# Altium PCB AS_node_pcb_version2.PcbDoc (part 2 of 2)
Units mm, origin at the board's own origin, x right, y up, seen from the top; angles counter-clockwise.
Board outline 125 x 100 mm, 4 copper layers (Top Layer, Layer 1, Layer 2, Bottom Layer), stack 0.603 mm thick; 118 components, 117 nets, 451 pads, 155 vias.
Unrouted connection lines stored in the file: 7.
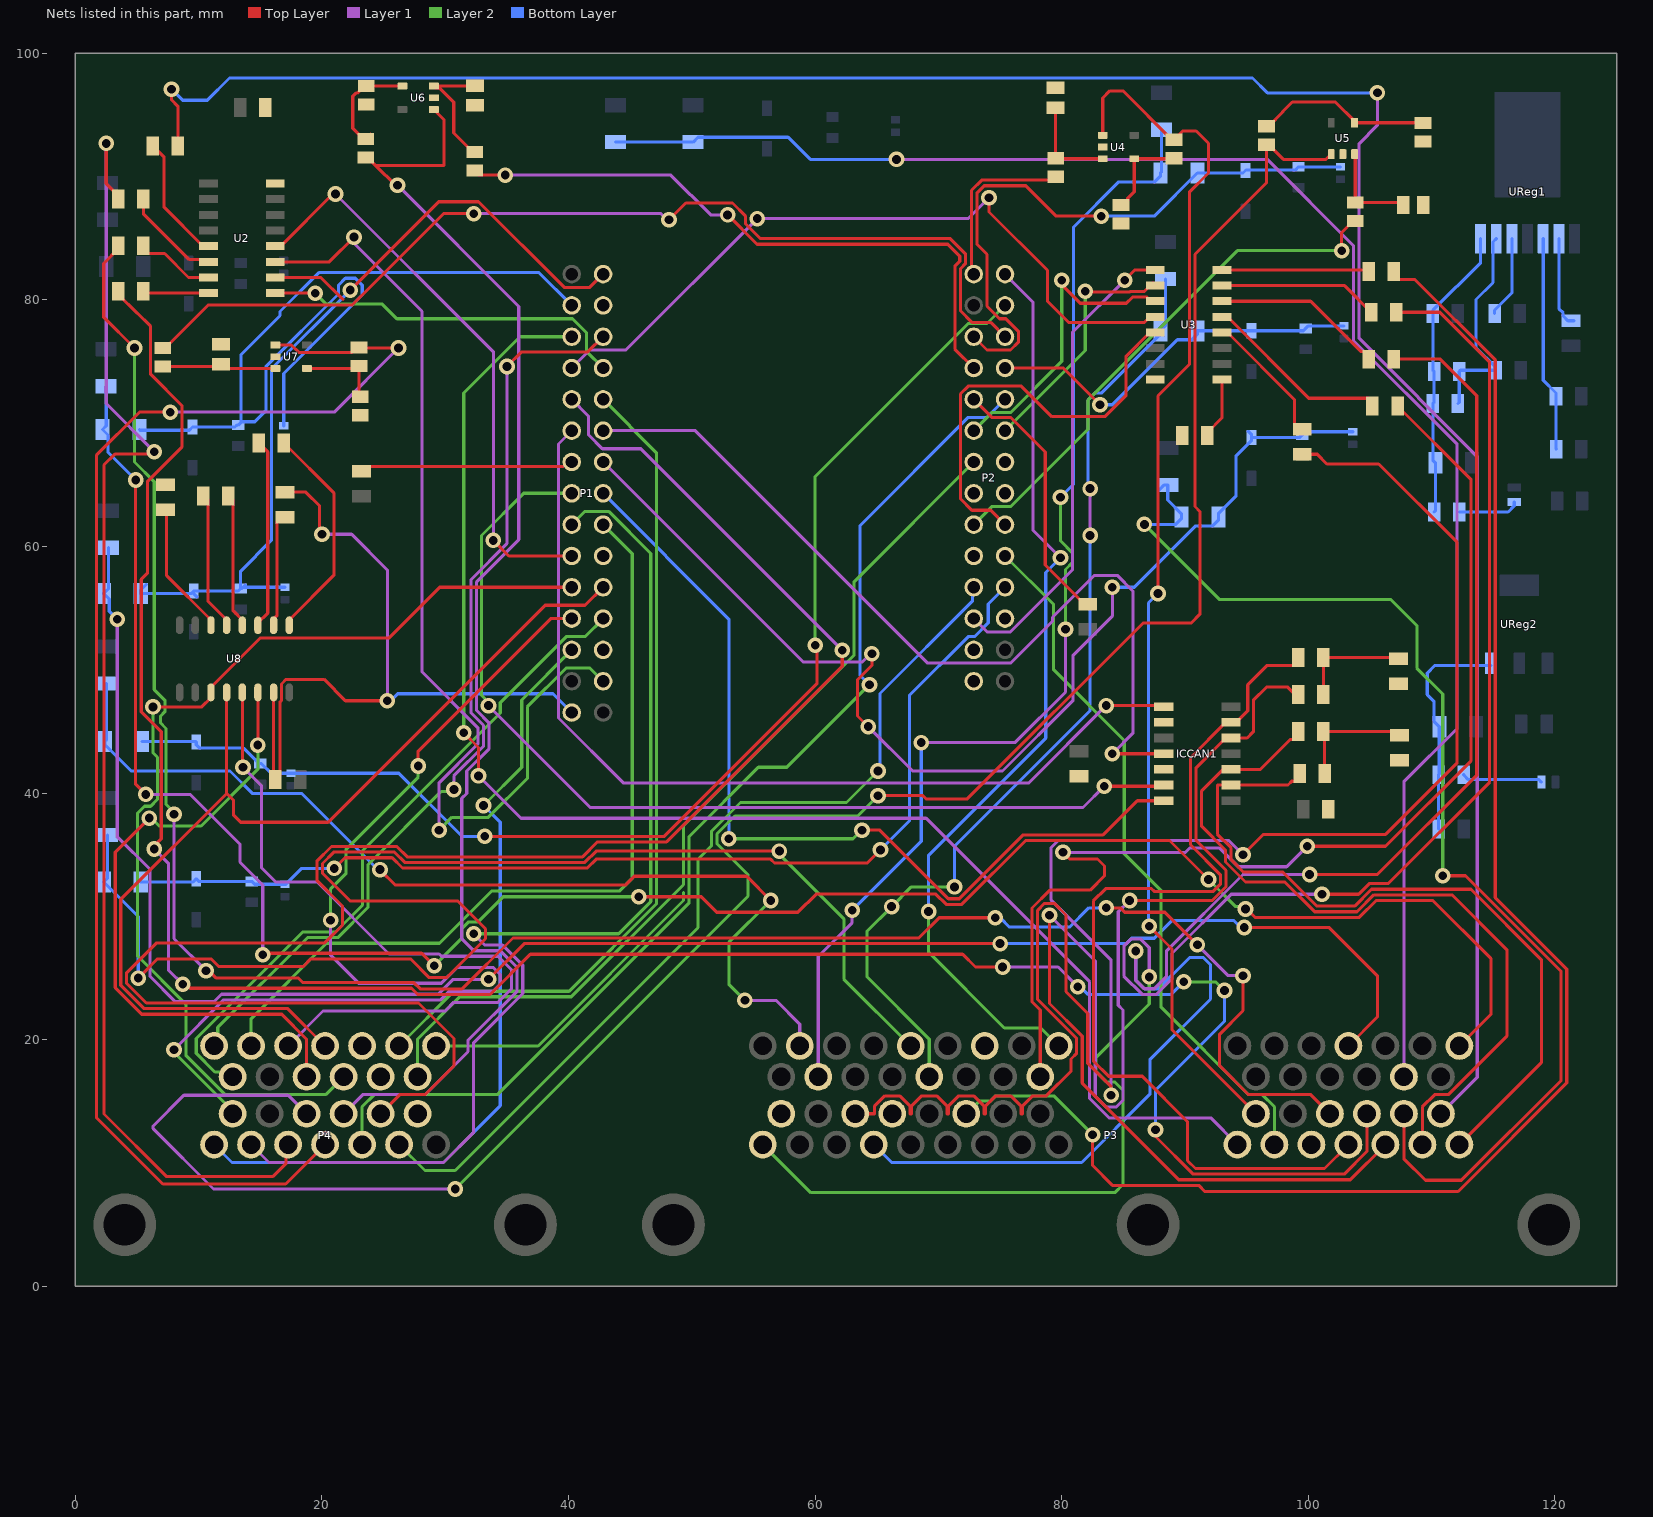
[diagram p4: the nets of this part, all layers, seen from the top]

## Via types
v1: diameter 1.27, hole 0.711, Top Layer to Bottom Layer, 155 vias

## Nets (pads, with @x,y where several pads share a name; then routed paths per layer and width w, separated by ;. In a path a pad name is that pad's centre, name@x,y a point inside that pad or via, vN(x,y) a via of type N, cw(c..) or ccw(c..) an arc to the next point about the centre after c; other vN are vias at no path point) (continued)
ASMS_ON: C24.1 P1.17 R49.2 R51.1 Z9.1 | length 94.2
  Top Layer w0.254: v1(64.3,45.4) 63.438,46.262 63.438,49.198 64.6,50.36 v1(64.6,51.3)
  Layer 1 w0.254: P1.17@42.8,66.86 59.022,50.638 63.825,50.638 64.487,51.3 v1(64.6,51.3) ; v1(64.3,45.4) 67.9,41.8 75.193,41.8 80.922,47.529 80.922,51.183 84.1,54.36 v1(84.1,56.7)
  Bottom Layer w0.254: v1(84.1,56.7) 85.887,56.7 90.864,61.677 92.252,61.677 92.7,62.125 R49.2@92.7,62.4 92.7,62.675 94.138,64.113 94.138,67.363 95.4,68.625 Z9.1@95.4,68.85 ; Z9.1@95.127,69.348 95.4,69.075 Z9.1@95.4,68.85 ; C24.1@103.6,69.31 99.76,69.31 R51.1@99.5,69.05 99.3,68.85 Z9.1@95.4,68.85
ASMS_ON_IN: P3.52 R47.1 R49.1 | length 96.1
  Top Layer w0.254: P3.52@107.75,14 107.75,10.35 109.495,8.605 112.405,8.605 120.5,16.7 120.5,25.542 112.742,33.3 v1(110.9,33.3)
  Layer 2 w0.254: v1(86.7,61.8) 92.8,55.7 106.7,55.7 108.8,53.6 108.8,50.14 110.9,48.04 v1(110.9,33.3)
  Bottom Layer w0.254: v1(86.7,61.8) 89.252,61.8 89.7,62.248 R49.1@89.7,62.4 89.7,62.675 88.6,63.775 R47.1@88.6,65 88.325,65 R47.1@87.877,64.552
ASSI_B_LED: P2.18 U3.3 | length 25.1
  Top Layer w0.254: P2.18@72.746,69.514 P2.18@72.86,69.4 ; v1(80,81.6) 80,81.24 81.502,79.738 85.241,79.738 85.749,80.246 86.894,80.246 87.24,79.9 U3.3@87.576,79.9
  Layer 2 w0.254: P2.18@72.86,69.4 74.323,70.863 75.846,70.863 80,75.017 v1(80,81.6)
ASSI_B_LED_OUT: P3.29 RAB.2 | length 125.9
  Top Layer w0.254: v1(100.1,33.4) 105.6,33.4 113.654,41.454 113.654,72.246 110.7,75.2 RAB.2@106.916,75.2
  Layer 1 w0.254: v1(86,27.2) 86,24.84 86.702,24.138 87.498,24.138 88.484,25.123 88.484,27.186 94.697,33.4 v1(100.1,33.4)
  Layer 2 w0.254: v1@99.5,33.4 v1(100.1,33.4)
  Bottom Layer w0.254: P3.29@64.75,11.5 66.202,10.048 81.608,10.048 87.146,15.586 87.146,18.384 92.062,23.3 92.062,26.098 91.498,26.662 90.362,26.662 87.838,24.138 86.702,24.138 86,24.84 v1(86,27.2)
ASSI_G_LED: P2.17 U3.2 | length 20.1
  Top Layer w0.254: v1(81.9,80.7) 81.962,80.638 85.498,80.638 85.56,80.7 86.706,80.7 87.376,81.37 U3.2@87.576,81.17
  Layer 2 w0.254: P2.17@75.4,69.4 81.9,75.9 v1(81.9,80.7)
ASSI_G_LED_OUT: P3.26 RAG.2 | length 140.3
  Top Layer w0.254: v1(101.1,31.8) 104.074,31.8 104.936,32.662 106.462,32.662 114.7,40.9 114.7,74.951 110.651,79 RAG.2@107.116,79
  Layer 1 w0.254: v1(87.1,25.1) 87.1,27.46 86.398,28.162 85.602,28.162 85.038,27.598 85.038,25.159 86.513,23.684 87.687,23.684 88.938,24.935 88.938,26.998 93.74,31.8 v1(101.1,31.8)
  Layer 2 w0.254: P3.26@55.75,11.5 59.65,7.6 84.3,7.6 84.962,8.262 84.962,15.898 84.276,16.584 83.613,16.584 82.784,17.413 82.784,18.587 87.1,22.903 v1(87.1,25.1)
ASSI_R_LED: P2.6 U3.1 | length 38.6
  Top Layer w0.254: v1(85.1,81.6) 85.94,82.44 U3.1@87.576,82.44
  Layer 1 w0.254: P2.6@72.86,54.16 73.937,53.083 75.846,53.083 80.862,58.099 80.862,77.362 v1(85.1,81.6)
ASSI_R_LED_OUT: P3.23 RAR.2 | length 130
  Top Layer w0.254: v1(82.5,12.3) 82.5,9.8 84.107,8.193 91.107,8.193 91.6,7.7 112.142,7.7 120.954,16.512 120.954,25.73 115.154,31.53 115.154,75.139 108.628,81.665 107.313,81.665 106.932,82.046 RAR.2@106.932,82.3
  Layer 2 w0.254: P3.23@72.25,14 72.288,14 73.334,15.046 74.243,15.046 74.649,15.452 79.348,15.452 v1(82.5,12.3)
B4_Steering_Clamped: P2.27 P3.9 | length 75
  Layer 1 w0.254: P2.27@75.4,82.1 77.672,79.828 77.672,61.328 v1(79.9,59.1)
  Layer 2 w0.254: v1(69.2,30.4) 69.2,27.1 75.348,20.952 78.298,20.952 P3.9@79.75,19.5
  Bottom Layer w0.254: v1(69.2,30.4) 69.2,34.96 78.7,44.46 78.7,57.9 v1(79.9,59.1)
BOOT0: P1.18 R3.2 | length 17.4
  Top Layer w0.254: R3.2@23.2,66.1 23.581,66.481 39.544,66.481 39.923,66.86 P1.18@40.26,66.86
BOOT1: P2.20 R4.2 | length 21.5
  Top Layer w0.254: P2.20@72.86,71.94 74.323,70.477 75.846,70.477 78.656,67.668 78.656,58.506 81.846,55.316 R4.2@82.1,55.316
CAN1_H: ICCAN1.13 P3.57 RU1.2 | length 75.8
  Top Layer w0.254: RU1.2@99.184,51 99.184,50.746 98.803,50.365 96.665,50.365 95.084,48.784 95.084,46.674 94.15,45.74 ICCAN1.13@93.725,45.74 93.3,45.74 90.438,42.878 90.438,35.822 92.862,33.398 92.862,32.602 92.298,32.038 87.502,32.038 87.278,32.262 83.562,32.262 82.564,31.264 82.564,18.276 83.802,17.038 86.522,17.038 90.2,13.36 90.2,10.2 90.845,9.555 101.305,9.555 P3.57@103.25,11.5
CAN1_L: ICCAN1.12 P3.58 RD1.1 | length 111.6
  Top Layer w0.254: v1(79,30.1) 79,22.945 81.656,20.289 81.656,16.484 89.492,8.647 103.397,8.647 P3.58@106.25,11.5 ; v1(85.5,31.3) 92.203,31.3 93.316,32.413 93.316,33.739 90.892,36.163 90.892,42.062 93.3,44.47 ICCAN1.12@93.725,44.47 95.03,44.47 95.538,44.978 95.538,47.538 96.6,48.6 98.33,48.6 99.184,47.746 RD1.1@99.184,48
  Layer 1 w0.254: v1(79,30.1) 82.716,26.384 82.716,15.424 83.602,14.538 84.398,14.538 84.962,15.102 84.962,22.416 84.584,22.794 84.584,30.384 v1(85.5,31.3)
CAN1_RX: ICCAN1.4 P1.19 | length 72.5
  Top Layer w0.254: v1(84.1,43.2) ICCAN1.4@88.275,43.2
  Layer 1 w0.254: P1.19@42.8,69.4 50.269,69.4 69.126,50.543 75.846,50.543 79.252,53.949 79.252,54.257 82.657,57.662 84.498,57.662 85.762,56.398 85.762,44.862 84.15,43.25 v1@84.15,43.15
CAN1_TX: ICCAN1.1 P1.20 | length 78.1
  Top Layer w0.254: P1.20@40.022,69.162 P1.20@40.26,69.4 ; v1(83.6,47.1) 87.785,47.1 87.885,47 88.085,47.2 ICCAN1.1@88.275,47.01
  Layer 1 w0.254: P1.20@40.26,69.4 39.183,68.323 39.183,46.094 44.439,40.838 77.338,40.838 83.5,47 v1@83.6,47
CAN2_H: ICCAN1.10 P3.59 RU2.2 | length 62.7
  Top Layer w0.254: RU2.2@99.184,45 99.184,44.746 98.803,44.365 98.549,44.365 96.114,41.93 ICCAN1.10@93.725,41.93 93.088,41.93 91.346,40.188 91.346,37.314 93.284,35.376 93.284,34.413 94.897,32.8 98.097,32.8 100.513,30.384 103.942,30.384 105.312,31.754 111.646,31.754 116.1,27.3 116.1,20.297 111.351,15.548 110.245,15.548 109.25,14.553 P3.59@109.25,11.5
CAN2_L: ICCAN1.9 P3.60 RD2.1 | length 61.1
  Top Layer w0.254: RD2.1@99.284,41.6 99.284,41.346 98.903,40.965 98.649,40.965 98.344,40.66 ICCAN1.9@93.725,40.66 92.623,40.66 92.623,36.679 93.738,35.564 93.738,34.602 94.74,33.6 97.94,33.6 100.702,30.838 103.754,30.838 105.124,32.208 113.192,32.208 118.9,26.5 118.9,18.15 P3.60@112.25,11.5
CAN2_RX: ICCAN1.7 P1.15 | length 73.4
  Top Layer w0.254: v1(63.8,37) 65.245,37 70.807,31.438 71.698,31.438 76.876,36.616 83.356,36.616 86.13,39.39 ICCAN1.7@88.275,39.39
  Layer 2 w0.254: v1(53,36.3) 63.063,36.3 63.763,37 v1(63.8,37)
  Bottom Layer w0.254: P1.15@42.8,64.32 53,54.12 v1(53,36.3)
CAN2_TX: ICCAN1.6 P1.16 | length 81.7
  Top Layer w0.254: v1(83.44,40.56) 88.175,40.56 ICCAN1.6@88.275,40.66
  Layer 1 w0.254: v1(33.5,47.1) 41.762,38.838 81.718,38.838 v1(83.44,40.56)
  Layer 2 w0.254: v1(33.5,47.1) 33.5,47.375 32.938,47.937 32.938,60.898 36.36,64.32 P1.16@40.26,64.32
DGND: 10mH.2 C3.2 C4.2 C5.1 C6.2 C7.2 C10.2 C11.2 C12.2 C13.2 C14.2 C15.2 ICCAN1.2 ICCAN1.5 P1.2 P1.5 P1.27 P2.2 P2.4 P3.7 P3.18 P3.21 R15.2 R17.2 R22.2 R50.2 RCOM1.2 U2.8 U3.8 U4.2 U5.2 U6.2 U7.2 U8.15 | length 63.4
  Top Layer w0.254: C11.2@16.075,41.225 U8.15@16.075,48.175 ; C11.2@16.2,41.1 16.581,41.481 16.581,47.369 16.718,47.506 16.718,48.86 17.085,49.227 20.173,49.227 21.9,47.5 v1(25.3,47.5) ; C7.2@17,64.416 18.684,64.416 19.806,63.294 19.806,61.194 v1(20,61) ; ICCAN1.5@88.275,41.93 ICCAN1.5@88.7,41.93
  Layer 1 w0.254: v1(20,61) 22.4,61 25.3,58.1 v1(25.3,47.5)
  Bottom Layer w0.254: v1(25.3,47.5) 25.575,47.5 26.137,48.062 38.738,48.062 P1.2@40.26,46.54
EBS_AS_Close_SDC: P2.10 P4.23
EBS_AS_Driving_Mode: P2.14 P4.22 | length 0.3
  Bottom Layer w0.254: P2.14@72.86,64.32 P2.14@73.098,64.082
EBS_Compressor_Relay: P1.12 U2.4 | length 46.9
  Top Layer w0.254: U2.4@16.212,84.365 16.65,84.365 20.885,88.6 v1(21.1,88.6) ; v1(33.9,60.5) 35.16,59.24 P1.12@40.26,59.24
  Layer 1 w0.254: v1(21.1,88.6) 33.9,75.8 v1(33.9,60.5)
EBS_Compressor_Relay_OUT: P3.53 R11.2 | length 192.8
  Top Layer w0.254: v1(7.8,97.1) 7.8,96.232 8.316,95.716 R11.2@8.316,92.5
  Layer 1 w0.254: v1(105.6,96.8) 105.6,94.168 104.116,92.684 104.116,76.884 113.702,67.298 113.702,16.952 P3.53@110.75,14
  Bottom Layer w0.254: v1(7.8,97.1) 8.7,96.2 10.7,96.2 12.5,98 95.471,98 96.671,96.8 v1(105.6,96.8)
EBS_Failure_LED: P1.24 U3.4 | length 59.6
  Top Layer w0.254: v1(74.1,88.3) 74.1,87.14 78.838,82.402 78.838,79.902 80.562,78.178 86.686,78.178 87.138,78.63 U3.4@87.576,78.63
  Layer 1 w0.254: P1.24@40.26,74.48 41.723,75.943 44.643,75.943 v1(55.3,86.6) 72.4,86.6 v1(74.1,88.3)
EBS_Failure_LED_OUT: P3.17 REBS.2 | length 94.2
  Top Layer w0.254: P3.17@78.25,17 78.25,22.411 77.584,23.077 77.584,30.687 79.035,32.138 82.298,32.138 83.462,33.302 83.462,34.098 82.898,34.662 80.638,34.662 v1(80.1,35.2) ; v1(99.9,35.7) 106.256,35.7 113.2,42.644 113.2,65.432 REBS.2@107.232,71.4
  Layer 1 w0.254: v1(80.1,35.2) 90.039,35.2 90.401,35.562 92.778,35.562 94.302,34.038 98.238,34.038 v1(99.9,35.7)
EBS_Pressure: C19.1 P1.29 R30.2 R32.1 Z4.1 | length 68.1
  Top Layer w0.254: v1(22.3,80.8) 29.462,87.962 32.698,87.962 39.637,81.023 41.723,81.023 P1.29@42.8,82.1
  Bottom Layer w0.254: R30.2@5.748,56.923 5.3,56.475 R30.2@5.3,56.2 9.4,56.2 Z4.1@9.6,56.4 13.2,56.4 R32.1@13.4,56.6 ; Z4.1@9.6,56.175 Z4.1@9.873,55.902 ; R32.1@13.773,56.873 R32.1@13.6,56.7 ; C19.1@17,56.7 R32.1@13.6,56.7 ; v1(22.3,80.8) 15.9,74.4 15.9,60.5 13.4,58 R32.1@13.4,56.6 ; R32.1@13.4,56.6 13.5,56.6 R32.1@13.6,56.7
EBS_Pressure_IN: P3.38 R28.1 R30.1 | length 148.1
  Top Layer w0.254: v1(33.5,24.9) 36.4,27.8 v1(75,27.8) ; v1(94.8,29.1) 101.7,29.1 105.6,25.2 105.6,21.85 P3.38@103.25,19.5
  Layer 1 w0.254: v1(3.4,54.1) 3.4,36.467 6.062,33.805 6.062,25.135 8.113,23.084 11.242,23.084 11.85,23.692 29.437,23.692 30.645,24.9 v1(33.5,24.9)
  Bottom Layer w0.254: R28.1@2.7,59.9 2.7,56.6 R30.1@2.3,56.2 2.748,55.752 2.748,54.752 v1(3.4,54.1) ; v1(75,27.8) 85.24,27.8 85.678,28.238 87.498,28.238 88.922,29.662 93.963,29.662 94.525,29.1 v1(94.8,29.1)
EBS_SDC_Is_Ready: P2.15 P4.12
EBS_Speaker: P2.11 U3.5 | length 34.8
  Top Layer w0.254: P2.11@75.4,61.78 74.234,62.946 72.711,62.946 71.783,63.874 71.783,72.386 72.414,73.017 76.717,73.017 79.196,70.538 83.498,70.538 85.219,72.259 85.219,75.441 87.138,77.36 U3.5@87.576,77.36
EBS_Speaker_OUT: P3.20 RR2D.2 | length 153.3
  Top Layer w0.254: P3.20@63.25,14 64.798,14 64.798,14.601 65.649,15.452 66.851,15.452 67.702,14.601 67.702,14 67.798,14 67.798,14.601 68.649,15.452 69.851,15.452 70.702,14.601 70.702,14 70.798,14 70.798,14.601 71.649,15.452 72.851,15.452 73.702,14.601 73.702,14 73.798,14 73.798,14.601 74.649,15.452 75.851,15.452 76.702,14.601 76.702,14 76.798,14 76.798,14.601 77.649,15.452 78.755,15.452 80.746,17.443 80.746,18.443 81.202,18.899 81.202,20.101 78.038,23.265 78.038,30.498 78.602,31.062 79.398,31.062 80.338,30.122 80.338,23.902 82.11,22.13 82.11,18.087 84,16.197 v1(84,15.5) ; v1(94.7,35) 96.362,36.662 106.262,36.662 112.062,42.462 112.062,60.338 105.7,66.7 101.5,66.7 100.716,67.484 RR2D.2@99.5,67.484 RR2D.2@99.881,67.103
  Layer 1 w0.254: v1(84,15.5) 84,26.46 79.138,31.322 79.138,35.598 79.702,36.162 93.538,36.162 v1(94.7,35)
EBS_Watchdog: P2.13 P3.56
JTDI: P1.8 P4.2 | length 88.5
  Top Layer w0.254: v1(27.8,42.2) 27.8,43.402 38.558,54.16 P1.8@40.26,54.16
  Layer 1 w0.254: v1(8,19.2) 12.038,23.238 29.625,23.238 30.325,23.938 33.898,23.938 34.462,24.502 34.462,25.298 33.898,25.862 30.965,25.862 29.687,24.584 22.976,24.584 20.7,26.86 v1(20.7,29.7)
  Layer 2 w0.254: v1(8,19.2) 8,18.975 12.75,14.225 P4.2@12.75,14 ; v1(20.7,29.7) 20.7,32.24 21.962,33.502 21.962,35.462 27.8,41.3 v1(27.8,42.2)
JTDO: P1.13 P4.16 | length 67.5
  Layer 2 w0.254: P4.16@14.25,19.5 14.25,21.71 20.37,27.83 29.527,27.83 33.751,32.054 44.114,32.054 45.162,33.101 45.162,59.418 P1.13@42.8,61.78
Motor_Current_Limit: P2.22 R16.1 | length 52.1
  Top Layer w0.254: R16.1@32.4,90.5 32.773,90.127 v1(34.873,90.127) ; v1(52.9,86.9) 55.28,84.52 70.762,84.52 71.724,83.558 71.724,83.129 71.329,82.734 71.329,76.011 P2.22@72.86,74.48
  Layer 1 w0.254: v1(34.873,90.127) 48.297,90.127 51.524,86.9 v1(52.9,86.9)
Motor_Current_Limit_OUT: P4.8 R14.2 U6.1 | length 108
  Top Layer w0.254: R14.2@23.55,91.55 23.725,91.55 24.375,90.9 ; v1(26.131,89.3) 25.975,89.3 24.375,90.9 ; U6.1@29.075,95.45 29.9,94.625 29.9,90.9 24.375,90.9
  Layer 1 w0.254: P4.8@21.75,14 23.298,15.548 28.351,15.548 31.846,19.043 31.846,19.959 35.824,23.937 35.824,25.863 34.463,27.224 32.316,27.224 31.338,28.202 31.338,39.578 31.738,39.978 31.738,41.798 33.554,43.614 33.554,45.685 32.538,46.701 32.538,57.135 35.962,60.559 35.962,79.469 v1(26.131,89.3)
Motor_Dir: P2.23 R20.1 | length 82.1
  Top Layer w0.254: R20.1@7.1,76.1 7.275,76.1 10.768,79.593 22.453,79.593 29.86,87 v1(32.3,87) ; v1(48.15,86.5) 49.512,87.862 53.298,87.862 54.338,86.822 54.338,86.202 55.566,84.974 70.95,84.974 72.178,83.746 72.178,82.941 71.783,82.546 71.783,79.114 72.711,78.186 74.234,78.186 P2.23@75.4,77.02
  Layer 1 w0.254: v1(32.3,87) 47.5,87 48,86.5 v1(48.15,86.5)
  Bottom Layer w0.254: P2.23@75.162,77.258 P2.23@75.4,77.02
Motor_Dir_OUT: P4.7 R19.2 U7.1 | length 114.3
  Top Layer w0.254: v1(7.7,70.9) 5.2,70.9 1.7,67.4 1.7,13.7 7.1,8.3 17.05,8.3 P4.7@20.25,11.5 ; U7.1@16.225,76.35 17.515,76.35 18.117,75.748 22.423,75.748 22.825,76.15 R19.2@23,76.15 23.05,76.1 v1(26.2,76.1)
  Layer 1 w0.254: v1(7.7,70.9) 21,70.9 v1(26.2,76.1)
Motor_Steering_Speed: P2.12 R13.1 | length 43.4
  Top Layer w0.254: v1(102.7,84) 102.7,85.475 103.625,86.4 R13.1@103.8,86.4
  Layer 2 w0.254: P2.12@72.86,61.78 74.323,63.243 75.846,63.243 82.138,69.535 82.138,71.898 94.24,84 v1(102.7,84)
Motor_Steering_Speed_OUT: P4.6 R12.2 U5.1 | length 173.9
  Top Layer w0.254: v1(65.1,39.8) 68.725,39.8 68.987,39.538 72.338,39.538 86.6,53.8 90.5,53.8 91.2,54.5 91.2,62.85 90.8,63.25 90.8,83.7 96.6,89.5 R12.2@96.6,92.6 96.775,92.6 97.975,91.4 101.425,91.4 U5.1@101.85,91.825
  Layer 1 w0.254: P4.6@18.75,14 17.25,15.5 8.8,15.5 6.305,13.005 6.305,12.795 11.2,7.9 v1(30.8,7.9)
  Layer 2 w0.254: v1(30.8,7.9) 54.548,31.648 54.548,33.391 52.038,35.901 52.038,36.698 53.491,38.152 63.452,38.152 v1(65.1,39.8)
NetC2_1: C2.1 F2.2 R2.2 UReg2.3 | length 18.5
  Bottom Layer w0.254: C2.1@110.584,37.1 110.568,37.116 R2.2@110.568,41.5 110.62,41.552 F2.2@110.62,45.4 110.177,45.843 110.177,47.454 109.638,47.993 109.638,49.738 110.25,50.35 UReg2.3@114.8,50.35
NetC5_2: C5.2 RD1.2 RU1.1 | length 9.1
  Top Layer w0.254: RD1.2@101.216,48 RU1.1@101.216,51 107.216,51 C5.2@107.3,50.916
NetC6_1: C6.1 RD2.2 RU2.1 | length 9.7
  Top Layer w0.254: RD2.2@101.316,41.6 101.316,44.9 RU2.1@101.216,45 107.1,45 C6.1@107.4,44.7
NetC7_1: C7.1 U8.2 | length 9.3
  Top Layer w0.254: U8.2@16.075,53.625 16.075,54.144 16.365,54.434 16.365,62.003 16.746,62.384 C7.1@17,62.384
NetC8_1: C8.1 U8.1 | length 17.9
  Top Layer w0.254: C8.1@16.916,68.4 20.962,64.354 20.962,57.667 17.345,54.05 U8.1@17.345,53.625
NetC8_2: C8.2 U8.3 | length 15.4
  Top Layer w0.254: U8.3@14.805,53.625 14.805,53.808 15.6,54.603 15.6,67.684 C8.2@14.884,68.4
NetC9_1: C9.1 U8.4 | length 10.9
  Top Layer w0.254: C9.1@12.416,64.1 12.797,63.719 12.797,54.788 13.535,54.05 U8.4@13.535,53.625
NetC9_2: C9.2 U8.5 | length 11.3
  Top Layer w0.254: C9.2@10.384,64.1 10.765,63.719 10.765,55.55 12.265,54.05 U8.5@12.265,53.625
NetC10_1: C10.1 U8.6 | length 11.2
  Top Layer w0.254: C10.1@7.3,62.984 7.554,62.984 7.4,62.83 7.4,57.645 10.995,54.05 U8.6@10.995,53.625
NetC12_1: C12.1 R44.2 U4.3 | length 7.9
  Top Layer w0.254: C12.1@79.5,95.6 R44.2@79.5,91.5 79.55,91.45 U4.3@83.325,91.45
NetC13_1: C13.1 R13.2 U5.3 | length 7.9
  Top Layer w0.254: U5.3@103.75,91.825 103.8,91.775 R13.2@103.8,87.9 107.5,87.9 C13.1@107.7,87.7
NetC14_1: C14.1 R16.2 U6.3 | length 10.3
  Top Layer w0.254: R16.2@32.4,92 32.225,92 30.687,93.538 30.687,96.037 29.523,97.202 29.223,97.202 U6.3@29.075,97.35 32.36,97.35 C14.1@32.4,97.39
NetC15_1: C15.1 R20.2 U7.3 | length 9.4
  Top Layer w0.254: R20.2@7.1,74.6 11.6,74.6 C15.1@11.8,74.8 12.15,74.45 U7.3@16.225,74.45
NetCFF_1: CFF.1 RFBB.1 RFBT.1 UReg1.6 | length 17.6
  Bottom Layer w0.254: CFF.1@112.132,71.6 112.232,71.7 RFBT.1@112.232,74.2 112.332,74.3 RFBB.1@115.184,74.3 115.184,74.554 113.6,76.138 113.6,80.036 114.969,81.405 114.969,84.701 UReg1.6@115.238,84.97
NetCFF_2: CFF.2 COUT.1 F1.2 R1.2 RFBT.2 UReg1.7 | length 24
  Bottom Layer w0.254: R1.2@110.2,62.8 110.3,62.9 F1.2@110.3,66.8 110.1,67 CFF.2@110.1,71.6 110.2,71.7 RFBT.2@110.2,74.2 110.1,74.3 COUT.1@110.1,78.9 110.1,79.154 113.968,83.022 UReg1.7@113.968,84.97
NetCSS_1: CSS.1 UReg1.5 | length 6.7
  Bottom Layer w0.254: CSS.1@115.1,78.9 115.1,79.154 116.508,80.562 UReg1.5@116.508,84.97
NetLED1_2: LED1.2 R1.1 | length 5
  Bottom Layer w0.254: R1.1@112.232,62.8 116.2,62.8 116.7,63.3 LED1.2@116.7,63.625
NetLED2_2: LED2.2 R2.1 | length 6.6
  Bottom Layer w0.254: R2.1@112.6,41.5 112.6,41.479 112.981,41.098 118.702,41.098 LED2.2@118.9,40.9
NetR5_1: R5.1 U2.14 | length 8.2
  Top Layer w0.254: R5.1@5.411,88.305 R5.1@5.516,88.2 5.516,86.984 9.207,83.293 10.152,83.293 10.351,83.095 U2.14@10.788,83.095
NetR6_1: R6.1 U2.16 | length 5.3
  Top Layer w0.254: R6.1@5.516,80.555 U2.16@10.788,80.555
NetR7_1: R7.1 U2.15 | length 6.6
  Top Layer w0.254: R7.1@5.421,84.395 R7.1@5.516,84.3 ; R7.1@5.516,84.4 R7.1@5.516,84.3 ; U2.15@10.788,81.825 9.175,81.825 7.235,83.765 5.897,83.765 5.516,84.146 R7.1@5.516,84.3
NetR11_1: R11.1 U2.13 | length 10.3
  Top Layer w0.254: R11.1@6.284,92.5 7.2,91.584 7.2,87.515 10.351,84.365 U2.13@10.788,84.365
NetR12_1: R12.1 R15.1 U5.4 | length 14.3
  Top Layer w0.254: R12.1@96.6,94.1 96.775,94.1 97.925,95.25 97.925,95.285 98.702,96.062 102.188,96.062 103.75,94.5 U5.4@103.75,94.375 109.275,94.375 R15.1@109.3,94.35
NetR14_1: R14.1 R17.1 U6.4 | length 9.3
  Top Layer w0.254: R14.1@23.55,93.05 23.375,93.05 22.498,93.927 22.498,96.527 22.748,96.777 22.852,96.777 23.425,97.35 R17.1@23.6,97.35 U6.4@26.525,97.35 ; R14.1@23.7,93.2 23.95,93.45 R14.1@23.95,92.85
NetR19_1: R19.1 R50.1 U7.4 | length 6.8
  Top Layer w0.254: U7.4@18.775,74.45 22.8,74.45 R19.1@23,74.65 23,72.25 R50.1@23.1,72.15
NetR22_1: R22.1 R23.1 U4.4 | length 7.5
  Top Layer w0.254: R22.1@84.8,87.7 84.975,87.7 85.348,88.073 85.348,88.248 85.875,88.775 U4.4@85.875,91.45 89.05,91.45 R23.1@89.1,91.5
NetRAB_1: RAB.1 U3.14 | length 14
  Top Layer w0.254: U3.14@93,79.9 100.184,79.9 104.249,75.835 104.503,75.835 104.884,75.454 RAB.1@104.884,75.2
NetRAG_1: RAG.1 U3.15 | length 13
  Top Layer w0.254: U3.15@93,81.17 102.942,81.17 ; 102.942,81.142 RAG.1@105.084,79
NetRAR_1: RAR.1 U3.16 | length 12
  Top Layer w0.254: U3.16@93,82.44 104.76,82.44 RAR.1@104.9,82.3
NetRCOM1_1: RCOM1.1 U3.9 | length 5
  Top Layer w0.254: RCOM1.1@91.816,69 91.816,69.254 93,70.438 U3.9@93,73.55
NetREBS_1: REBS.1 U3.13 | length 15.3
  Top Layer w0.254: U3.13@93,78.63 93.437,78.63 100.032,72.035 104.819,72.035 105.2,71.654 REBS.1@105.2,71.4
NetRENB_2: RENB.2 RENT.2 UReg1.3 | length 17.5
  Bottom Layer w0.254: UReg1.3@119.048,84.97 119.048,73.49 120.084,72.454 RENT.2@120.084,72.2 120.084,67.916 RENB.2@120.1,67.9
NetRON_2: RON.2 UReg1.2 | length 7.5
  Bottom Layer w0.254: UReg1.2@120.318,84.97 120.318,79.298 120.665,78.951 120.665,78.697 121.046,78.316 RON.2@121.3,78.316 RON.2@121.554,78.316
NetRR2D_1: RR2D.1 U3.12 | length 10.9
  Top Layer w0.254: U3.12@93,77.36 93.437,77.36 98.865,71.933 98.865,69.897 99.246,69.516 RR2D.1@99.5,69.516
Pressure_Regulator_AIN: P3.46 R48.1 R52.1 | length 136.3
  Layer 1 w0.254: v1(66.6,91.4) 96.66,91.4 103.662,84.398 103.662,76.696 112.062,68.296 112.062,45.241 107.75,40.929 P3.46@107.75,17
  Bottom Layer w0.254: R48.1@43.8,92.8 R52.1@50.1,92.8 50.502,93.202 57.81,93.202 59.612,91.4 v1(66.6,91.4)
Q1_Pressure_Regulator: P2.28 R44.1 | length 14.1
  Top Layer w0.254: P2.28@72.86,82.1 72.684,82.276 72.684,88.887 73.513,89.716 79.216,89.716 R44.1@79.5,90
Q1_Pressure_Regulator_OUT: P3.48 R23.2 U4.1 | length 98.5
  Top Layer w0.254: U4.1@83.325,93.35 83.325,96.385 83.902,96.962 84.963,96.962 88.925,93 R23.2@89.1,93 89.8,93.7 90.9,93.7 91.895,92.705 91.895,90.3 90.346,88.751 90.346,74.77 87.8,72.224 v1(87.8,56.2) ; v1(87.1,29.2) 88.938,27.362 88.938,20.812 P3.48@95.75,14
  Bottom Layer w0.254: v1(87.1,29.2) 87.038,29.262 87.038,55.438 v1(87.8,56.2)
Q2_Service_Brake: P1.11 U2.2 | length 6.2
  Top Layer w0.254: U2.2@16.212,81.825 19.915,81.825 21.693,80.047
Q2_Service_Brake_OUT: P3.50 R7.2 | length 172
  Top Layer w0.254: R7.2@3.484,84.4 3.484,84.146 2.3,82.962 2.3,78.6 v1(4.8,76.1) ; v1(10.6,25.6) 10.837,25.6 11.437,25 18.1,25 18.462,24.638 27.45,24.638 27.958,24.13 31.37,24.13 35.494,28.254 68.414,28.254 70.06,29.9 v1(74.6,29.9) ; v1(83.6,30.7) 84.74,30.7 85.102,30.338 88.362,30.338 v1(91,27.7) ; v1(94.7,25.2) 94.7,22.363 92.798,20.461 92.798,17.899 95.149,15.548 100.202,15.548 P3.50@101.75,14
  Layer 1 w0.254: v1(8,38.3) 8,28.2 v1(10.6,25.6) ; v1(91,27.7) 93.5,25.2 v1(94.7,25.2)
  Layer 2 w0.254: v1(4.8,76.1) 4.8,66.86 6.4,65.26 6.4,48.4 7.262,47.538 7.262,46.602 6.9,46.24 6.9,45.7 7.353,45.247 7.353,39.09 8,38.442 v1(8,38.3)
  Bottom Layer w0.254: v1(74.6,29.9) 75,29.9 75.762,29.138 80.632,29.138 82.194,30.7 v1(83.6,30.7)
Q6_Redundancy: P1.23 U2.1 | length 30
  Top Layer w0.254: U2.1@16.212,80.555 v1(19.445,80.555)
  Layer 2 w0.254: v1(19.445,80.555) 20.338,79.662 24.898,79.662 26.077,78.483 40.32,78.483 41.441,77.362 41.441,75.839 P1.23@42.8,74.48
Q6_Redundancy_OUT: P3.51 R6.2 | length 186.2
  Top Layer w0.254: R6.2@3.484,80.7 3.484,80.446 4.966,78.964 4.997,78.964 6.098,77.862 6.098,73.965 8.662,71.401 8.662,68.11 5.862,65.31 5.862,57.863 5.338,57.339 5.338,46.602 6.962,44.978 6.962,36.307 6.4,35.745 v1(6.4,35.47) ; v1(8.7,24.5) 9,24.5 9.316,24.184 27.261,24.184 27.769,23.676 33.636,23.676 36.9,26.94 71.96,26.94 73,25.9 v1(75.2,25.9) ; v1(87.6,12.7) 87.6,12.158 90.657,9.101 102.905,9.101 104.75,10.947 P3.51@104.75,14
  Layer 1 w0.254: v1(6.4,35.47) 7.546,34.324 7.546,25.654 v1(8.7,24.5) ; v1(75.2,25.9) 79.7,25.9 v1(81.3,24.3)
  Layer 2 w0.254: v1(89.9,24.7) 92.463,24.7 93.163,24 v1(93.2,24)
  Bottom Layer w0.254: v1(81.3,24.3) 81.505,24.3 82.121,23.684 88.884,23.684 v1(89.9,24.7) ; v1(87.6,12.7) 87.6,15.9 93.2,21.5 v1(93.2,24)
Q7_Steering_Clamp: P1.3 U2.3 | length 83.4
  Top Layer w0.254: U2.3@16.212,83.095 20.595,83.095 v1(22.6,85.1)
  Layer 1 w0.254: v1(22.6,85.1) 22.6,84.594 28.115,79.079 28.115,49.84 32.646,45.309 32.646,43.991 29.5,40.845 v1(29.5,37)
  Layer 2 w0.254: v1(29.5,37) 30.538,38.038 33.498,38.038 36.656,41.196 36.656,46.999 39.814,50.157 41.723,50.157 P1.3@42.8,49.08
Q7_Steering_Clamp_OUT: P4.5 R5.2 | length 107.4
  Top Layer w0.254: v1(2.5,92.7) 2.5,89.438 3.484,88.454 R5.2@3.484,88.2 ; v1@6.3,67.5 3.2,67.5 2.322,66.622 2.322,13.978 7.4,8.9 16,8.9 17.094,9.994 17.094,11.344 P4.5@17.25,11.5
  Layer 1 w0.254: v1(2.5,92.7) 2.5,71.6 v1(6.4,67.7)
Rack_Pos_IN: P3.14 R41.1 R43.1 | length 79.3
  Layer 1 w0.254: v1(82.3,60.9) v1(82.3,64.7)
  Layer 2 w0.254: P3.14@69.25,17 69.25,20.053 64.2,25.103 64.2,28.8 v1(66.2,30.8) 67.8,32.4 v1(71.3,32.4)
  Bottom Layer w0.254: v1(71.3,32.4) 71.3,35.7 82.3,46.7 v1(82.3,60.9) ; v1(82.3,64.7) 82.138,64.862 82.138,71.898 82.702,72.462 83.237,72.462 88,77.225 R43.1@88,77.5 88.4,77.9 R41.1@88.4,81.7
Rack_Position: C23.1 P2.21 R43.2 R46.1 Z8.1 | length 32.1
  Top Layer w0.254: P2.21@75.4,74.48 80.12,74.48 v1(83.1,71.5)
  Bottom Layer w0.254: v1@83.156,72.008 83.156,71.556 v1(83.1,71.5) 84.1,71.5 89.377,76.777 90.552,76.777 91,77.225 R43.2@91,77.5 Z8.1@95.4,77.5 99.6,77.5 R46.1@99.8,77.7 100,77.9 C23.1@102.9,77.9
RS232_IN: P4.18 U8.13 | length 60.2
  Top Layer w0.254: U8.13@13.535,48.175 13.568,48.142 13.568,42.132 v1(13.6,42.1)
  Layer 1 w0.254: v1(13.6,42.1) 15.1,40.6 15.1,33.94 16.246,32.794 19.608,32.794 25.441,26.962 29.498,26.962 29.69,26.77 34.275,26.77 35.37,25.675 35.37,24.125 34.275,23.03 30.701,23.03 30.001,22.33 20.08,22.33 P4.18@17.25,19.5
RS232_OUT: P4.19 U8.14 | length 52.4
  Top Layer w0.254: v1(6,37.976) 3.23,35.206 3.23,24.225 5.386,22.069 16.734,22.069 18.75,20.053 P4.19@18.75,17 ; v1(14.8,43.9) 14.803,43.903 14.803,48.173 U8.14@14.805,48.175
  Layer 2 w0.254: v1(6,37.976) 6.161,37.976 6.799,37.338 10.198,37.338 14.8,41.94 v1(14.8,43.9)
Service_Pressure: C18.1 P1.28 R29.2 R31.1 Z3.1 | length 76.6
  Bottom Layer w0.254: R29.2@5.2,69.5 5.262,69.438 9.238,69.438 Z3.1@9.5,69.7 12.95,69.7 R31.1@13.1,69.85 ; C18.1@16.9,69.8 16.9,74.04 23.262,80.402 23.262,81.198 22.698,81.762 21.902,81.762 21.338,81.198 21.338,80.48 15.446,74.588 15.446,71.016 14.553,70.123 13.473,70.123 R31.1@13.2,69.85 13.439,70.089 13.439,75.578 16.592,78.732 16.592,79.063 19.746,82.216 37.604,82.216 P1.28@40.26,79.56
Service_Pressure_IN: P3.41 R27.1 R29.1 | length 173.4
  Top Layer w0.254: v1(4.9,65.4) 4.884,65.384 4.884,40.716 v1(5.7,39.9) ; v1(15.2,26.9) 15.316,27.016 28.084,27.016 v1(29.1,26) ; v1(45.7,31.6) 50.756,31.6 52.018,30.338 58.596,30.338 60.074,31.816 69.787,31.816 70.619,30.984 71.886,30.984 77.065,36.162 88.738,36.162 v1(91.9,33) ; v1(94.9,30.6) 94.997,30.6 95.667,29.93 104.13,29.93 105.5,31.3 110.1,31.3 114.8,26.6 114.8,22.05 P3.41@112.25,19.5
  Layer 1 w0.254: v1(5.7,39.9) 9.3,39.9 13.346,35.854 13.346,34.409 15.2,32.555 v1(15.2,26.9)
  Layer 2 w0.254: v1(29.1,26) 31.338,28.238 31.338,28.998 31.902,29.562 32.662,29.562 34.7,31.6 v1(45.7,31.6) ; v1(91.9,33) 94.106,30.794 94.706,30.794 v1(94.9,30.6)
  Bottom Layer w0.254: R27.1@2.5,73 2.5,69.8 R29.1@2.2,69.5 2.648,69.052 2.648,67.652 v1(4.9,65.4)
"Spare _USART_RX": P1.9 P4.20 U8.12 | length 86
  Top Layer w0.254: U8.12@12.265,48.175 12.265,40.535 12.265,39.974 ; P4.20@20.25,19.5 17.227,22.523 5.574,22.523 3.684,24.413 3.684,31.393 12.265,39.974 ; P1.9@42.8,56.7 41.337,55.237 38.097,55.237 20.498,37.638 13.402,37.638 12.833,38.206 12.833,39.406 12.265,39.974
"Spare _USART_TX": P1.10 P4.21 U8.11 | length 84.6
  Top Layer w0.254: v1(6.3,47) 10.245,47 10.995,47.75 U8.11@10.995,48.6 ; U8.11@10.995,48.175 U8.11@10.995,48.6 ; P1.10@40.26,56.7 29.556,56.7 25.429,52.573 14.968,52.573 U8.11@10.995,48.6
  Layer 2 w0.254: v1(6.3,47) 6.3,43.27 6.662,42.908 6.662,39.502 6.098,38.938 5.602,38.938 5.038,38.374 5.038,26.802 8.962,22.878 8.962,18.735 12.149,15.548 20.298,15.548 P4.21@21.75,17
Spare_Pin_1: P1.26 P3.54 | length 121.7
  Top Layer w0.254: v1(31.5,44.9) 32.7,43.7 v1(32.7,41.4)
  Layer 1 w0.254: v1(32.7,41.4) 36.138,37.962 68.998,37.962 82.262,24.698 82.262,15.235 83.835,13.662 92.088,13.662 P3.54@94.25,11.5
  Layer 2 w0.254: v1(31.5,44.9) 31.5,72.46 36.06,77.02 P1.26@40.26,77.02
Spare_Pin_2: P2.19 P4.9 | length 90.8
  Layer 2 w0.254: P4.9@23.25,11.5 23.25,14.553 24.245,15.548 34.219,15.548 49.778,31.107 49.778,36.491 55.389,42.102 57.702,42.102 v1(64.4,48.8)
  Bottom Layer w0.254: v1(64.4,48.8) 63.638,49.562 63.638,61.701 72.414,70.477 73.937,70.477 P2.19@75.4,71.94
Spare_Pin_3: P1.21 P4.24 | length 68.3
  Layer 2 w0.254: P4.24@26.25,19.5 30.688,23.938 40.041,23.938 47.116,31.013 47.116,67.624 P1.21@42.8,71.94
Spare_Pin_4: P1.22 P4.10 | length 146.6
  Top Layer w0.254: P4.10@24.75,14 26.298,15.548 28.351,15.548 30.702,17.899 30.702,20.101 27.826,22.977 5.762,22.977 4.138,24.602 4.138,25.398 6.602,27.862 20.222,27.862 21.662,29.302 21.662,30.855 19.584,32.933 19.584,34.487 20.767,35.67 26.069,35.67 26.901,34.838 41.138,34.838 42.346,36.046 47.948,36.046 62.2,50.297 v1(62.2,51.6)
  Layer 1 w0.254: P1.22@40.26,71.94 41.619,70.581 41.619,69.058 42.74,67.937 45.863,67.937 v1(62.2,51.6)
Spare_Pin_5: P2.9 P3.55 | length 57.4
  Layer 2 w0.254: P2.9@75.4,59.24 79.338,55.302 79.338,50.002 85.062,44.278 85.062,35.078 88.062,32.078 88.062,22.635 95.149,15.548 96.255,15.548 97.25,14.553 P3.55@97.25,11.5
Spare_Pin_6: P2.16 P4.25 | length 73.8
  Layer 2 w0.254: P4.25@27.75,17 27.75,20.053 31.181,23.484 40.229,23.484 49.324,32.579 49.324,37.364 63.162,51.201 63.162,57.162 P2.16@72.86,66.86
Spare_Pin_7: P2.8 P4.11 | length 75.2
  Layer 2 w0.254: P4.11@26.25,11.5 28.35,9.4 30.8,9.4 50.5,29.1 50.5,34.63 51.584,35.713 51.584,36.886 53.943,39.246 62.546,39.246 v1(65.1,41.8)
  Bottom Layer w0.254: v1(65.1,41.8) 65.262,41.962 65.262,48.085 72.746,55.569 72.746,56.586 P2.8@72.86,56.7
Spare_Pin_8: P2.5 P4.26 | length 25.6
  Layer 2 w0.254: P4.26@29.25,19.5 37.529,19.5 49.324,31.295 49.324,31.937
Spare_Pin_9: P1.25 P4.14 | length 76.5
  Top Layer w0.254: v1(35,74.6) 36.188,75.788 41.568,75.788 P1.25@42.8,77.02
  Layer 1 w0.254: v1(30.7,40.3) 30.7,41.403 33.1,43.803 33.1,45.497 32.084,46.513 32.084,57.323 35,60.24 v1(35,74.6)
  Layer 2 w0.254: P4.14@11.25,19.5 11.542,19.792 11.542,21.006 18.82,28.284 21.287,28.284 23.738,30.735 23.738,34.198 29.684,40.144 30.544,40.144 v1(30.7,40.3)
Steering_Pos_IN: P3.11 R33.1 R35.1 | length 95.3
  Layer 1 w0.254: P3.11@60.25,17 60.25,26.75 63,29.5 v1(63,30.5) ; v1(68.6,44.1) 76.2,44.1 80.3,48.2 v1(80.3,53.3)
  Layer 2 w0.254: v1(79.9,64) 79.9,60.461 80.862,59.498 80.862,58.702 80.3,58.14 v1(80.3,53.3)
  Bottom Layer w0.254: v1(63,30.5) 68.6,36.1 v1(68.6,44.1) ; v1(79.9,64) 80.938,65.038 80.938,81.178 80.962,81.202 80.962,85.922 84.617,89.577 87.552,89.577 88,90.025 R35.1@88,90.3 88.1,90.4 R33.1@88.1,93.8
Steering_Position: C20.1 P2.24 R35.2 R37.1 Z5.1 | length 50.5
  Top Layer w0.254: P2.24@72.86,77.02 73.937,75.943 75.846,75.943 76.477,76.574 76.477,77.466 75.46,78.483 74.954,78.483 73.937,79.5 73.937,83.7 73.138,84.499 73.138,88.698 73.702,89.262 77.082,89.262 79.544,86.8 v1(83.2,86.8)
  Bottom Layer w0.254: v1(83.2,86.8) 87.5,86.8 R35.2@91,90.3 94.7,90.3 Z5.1@94.9,90.5 94.927,90.527 98.927,90.527 R37.1@99.2,90.8 C20.1@102.6,90.8
SWCLK: P1.7 P4.15 | length 55.1
  Layer 2 w0.254: P4.15@12.75,17 12.368,17.382 11.315,17.382 9.798,18.899 9.798,20.101 18.435,28.738 21.098,28.738 23.284,30.924 23.284,35.324 34.462,46.501 34.462,47.345 39.814,52.697 41.337,52.697 P1.7@42.8,54.16
SWDIO: P1.6 P4.1 | length 66.2
  Layer 2 w0.254: v1(33.1,39) 36.202,42.102 36.202,47.562 P1.6@40.26,51.62
  Bottom Layer w0.254: P4.1@11.25,11.5 12.702,10.048 29.851,10.048 34.462,14.659 34.462,37.638 v1(33.1,39)
TRST: P1.14 P4.3 | length 91.8
  Layer 1 w0.254: P4.3@14.25,11.5 15.702,10.048 29.851,10.048 32.3,12.497 32.3,19.771 36.278,23.749 36.278,26.051 34.651,27.678 33.222,27.678 v1(32.3,28.6)
  Layer 2 w0.254: v1(32.3,28.6) 44.06,28.6 46.662,31.202 46.662,59.441 43.246,62.857 41.337,62.857 P1.14@40.26,61.78
Wheel_Speed_L: C16.1 P2.25 R21.2 R25.1 Z1.1 | length 101.4
  Top Layer w0.254: v1(33.2,36.5) 47.76,36.5 60.162,48.902 60.162,51.838 v1(60,52)
  Layer 1 w0.254: P2.25@75.286,79.446 P2.25@75.4,79.56
  Layer 2 w0.254: v1(60,52) 60,65.683 72.414,78.097 73.937,78.097 P2.25@75.4,79.56
  Bottom Layer w0.254: R21.2@5.4,44.2 9.75,44.2 Z1.1@9.8,44.15 9.8,43.925 10.073,43.652 13.648,43.652 14.9,42.4 R25.1@15,42.4 15.1,42.4 15.88,41.62 C16.1@17.5,41.62 26.24,41.62 31.361,36.5 v1(33.2,36.5)
Wheel_Speed_L_IN: P3.2 R8.1 R21.1 | length 81.9
  Top Layer w0.254: v1(24.7,33.8) 25.962,32.538 44.598,32.538 45.322,33.262 54.438,33.262 v1(56.4,31.3)
  Layer 1 w0.254: v1(54.3,23.2) 56.821,23.2 58.75,21.271 P3.2@58.75,19.5
  Layer 2 w0.254: v1(54.3,23.2) 53,24.5 53,27.9 v1(56.4,31.3)
  Bottom Layer w0.254: R8.1@2.5,48.9 2.5,44.3 R21.1@2.4,44.2 2.4,43.925 4.523,41.802 12.536,41.802 14.375,39.963 18.377,39.963 24.54,33.8 v1(24.7,33.8)
Wheel_Speed_R: C17.1 P2.7 R24.2 R26.1 Z2.1 | length 88.2
  Top Layer w0.254: v1(21,33.9) 21.862,34.762 25.693,34.762 26.525,33.93 41.514,33.93 42.236,34.652 56.388,34.652 56.702,34.338 64.238,34.338 v1(65.3,35.4)
  Bottom Layer w0.254: R24.2@5.3,32.8 9.55,32.8 Z2.1@9.8,33.05 10,32.85 R26.1@14.3,32.85 14.54,32.61 17.06,32.61 18.35,33.9 v1(21,33.9) ; v1(65.3,35.4) 67.638,37.738 67.638,47.921 72.414,52.697 72.92,52.697 74.041,53.818 74.041,55.341 P2.7@75.4,56.7
Wheel_Speed_R_IN: P3.5 R18.1 R24.1 | length 119.2
  Top Layer w0.254: v1(5.1,25) 6.662,26.562 10.998,26.562 11.622,25.938 18.478,25.938 19.102,26.562 27.178,26.562 28.702,25.038 30.098,25.038 33.262,28.202 33.262,28.998 31.01,31.25 22.29,31.25 20.038,33.502 20.038,34.298 20.956,35.216 25.881,35.216 26.713,34.384 41.326,34.384 42.242,35.3 v1(57.1,35.3)
  Layer 2 w0.254: v1(57.1,35.3) 57.1,35.04 62.331,29.808 62.331,24.919 P3.5@67.75,19.5
  Bottom Layer w0.254: R18.1@2.6,36.6 2.6,33.1 R24.1@2.3,32.8 5.1,30 v1(5.1,25)
pads on no net: P3.33 P3.34 P3.MH1 P3.MH2 P3.MH3 P4.MH1 P4.MH2 U2.5 U2.6 U2.7 U2.10 U2.11 U2.12 U3.6 U3.7 U3.10 U3.11 U8.7 U8.8 U8.9 U8.10
copper on no net: | length 0.1
  Top Layer w0.254: 16.212,85.635 16.295,85.717

## Polygon pours and split planes (outlines as drawn)
DGND on Top Layer "Top Layer-DGND" (solid, pour order 6): 0,100 125,100 125,0 0,0
24V_ASMS_GND on Bottom Layer "Bottom Layer-24V_ASMS_GND" (solid, pour order 8): 0,0 125,0 125,100 0,100